# Altium PCB MazeSolverPcb.PcbDoc
Units mm, origin at the board's own origin, x right, y up, seen from the top; angles counter-clockwise.
Board outline 104.65 x 60.71 mm, 2 copper layers (Top Layer, Bottom Layer); 16 components, 20 nets, 99 pads, 35 vias.
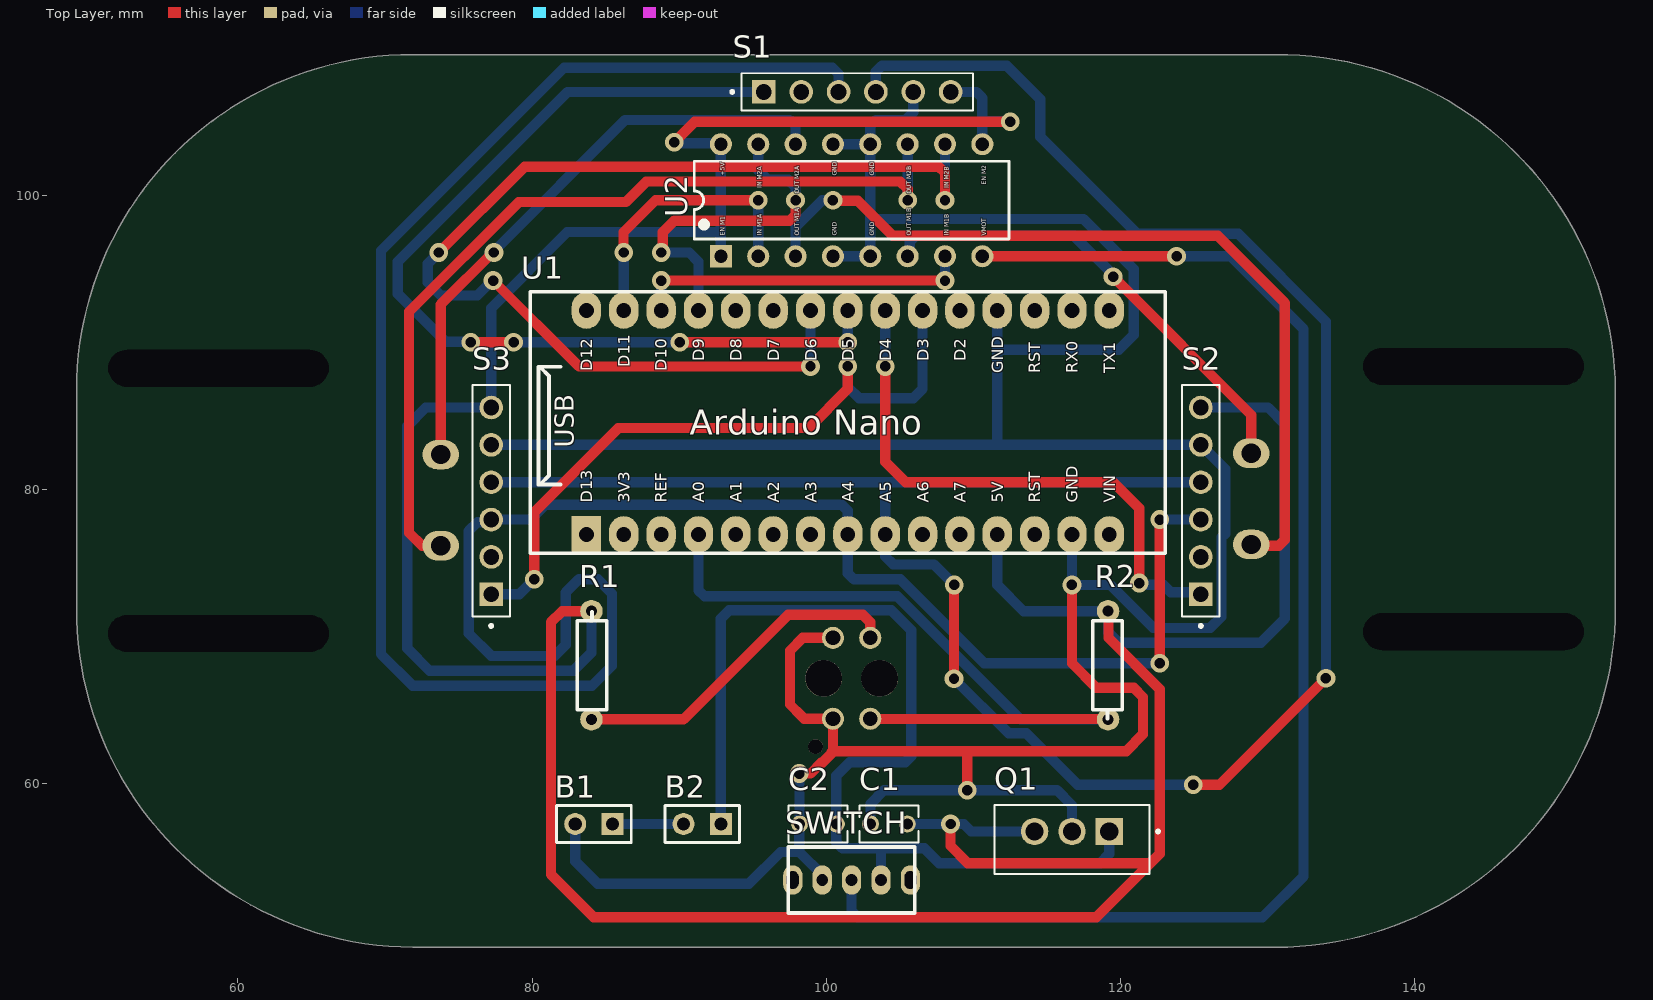
[diagram p0: Top Layer view]
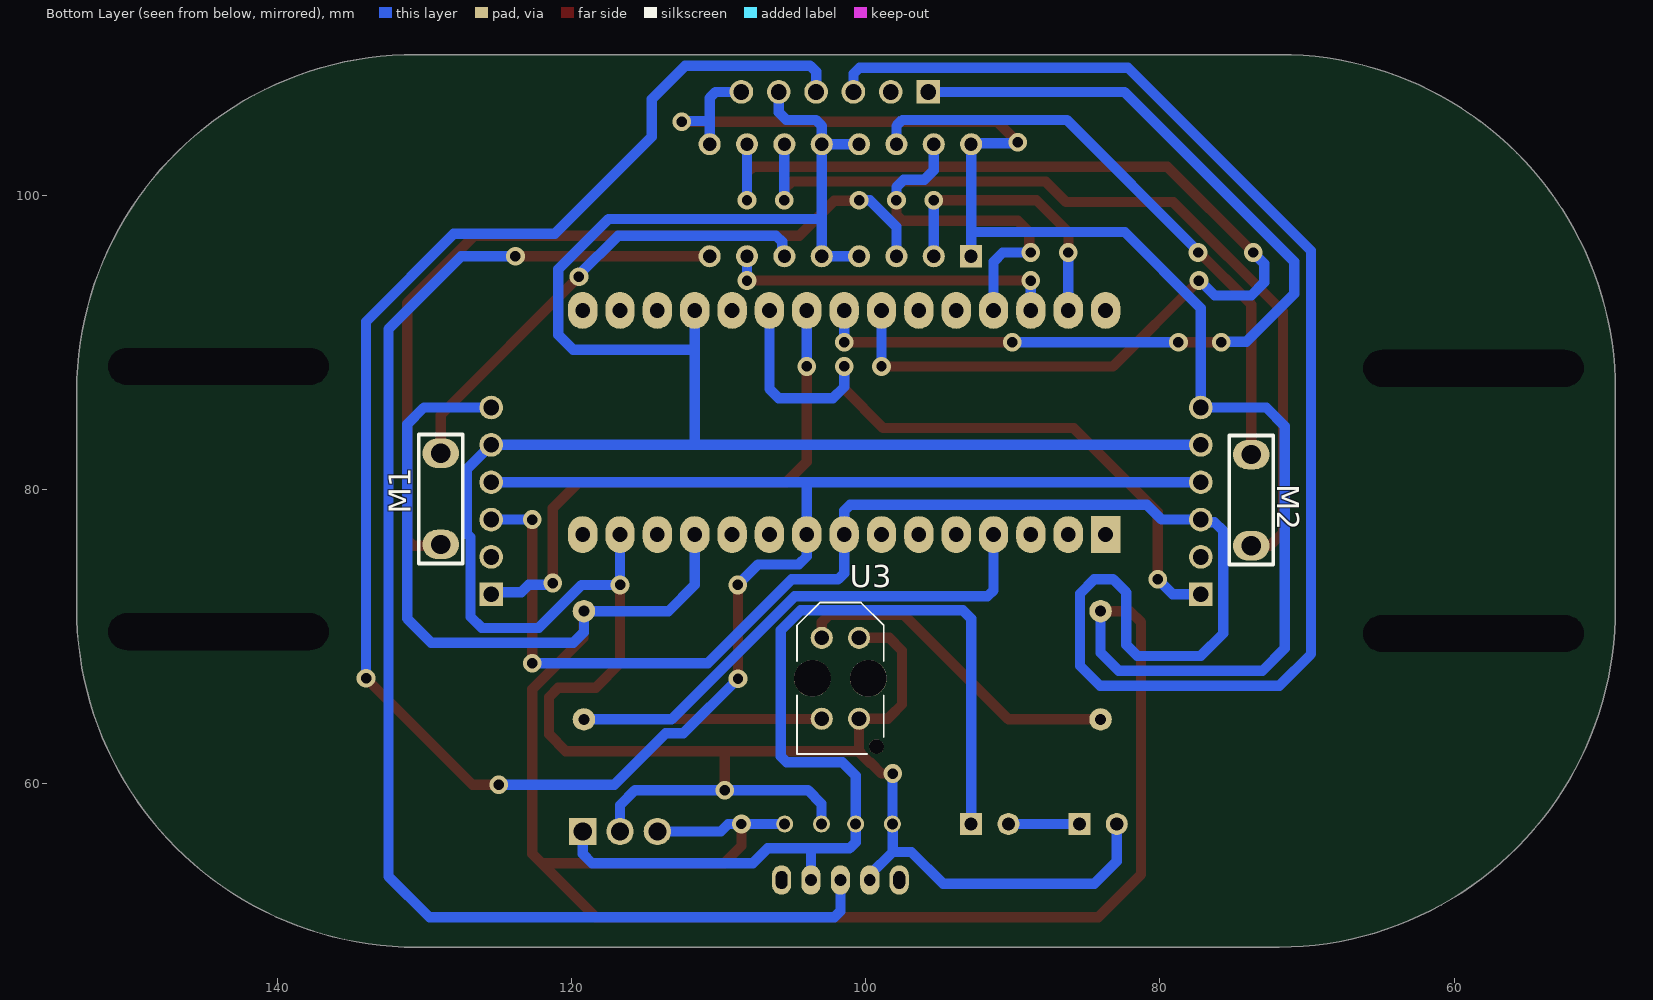
[diagram p1: Bottom Layer view, seen from below]

## Layer stack, top to bottom
Top Solder: solder mask 0.0102, Solder Resist, Dk 3.5
Top Layer: signal copper 0.0356
Dielectric 1: dielectric 0.32, FR-4, Dk 4.8
Bottom Layer: signal copper 0.0356
Bottom Solder: solder mask 0.0102, Solder Resist, Dk 3.5

## Board outline
49.022,72.009 49.022,86.741 cw(c71.882,86.741) 71.882,109.601 130.556,109.601 cw(c130.683,86.614) 153.67,86.741 153.67,72.009 cw(c130.556,72.009) 130.556,48.895 71.882,48.895 cw(c72.009,71.882)

## Design rules (kind name [scope] priority, off if disabled: settings)
Clearance RulesMaze [All] p1: gap=0.25 ignorepadtopadclearanceinfootprint=FALSE
Clearance [All] p2: gap=0.254 ignorepadtopadclearanceinfootprint=FALSE
PlaneConnect [All] p1: planeconnectstyle=Relief reliefexpansion=0.7 reliefentries=4 reliefconductorwidth=0.254 reliefairgap=0.254
PolygonConnect [All] p1: connectstyle=Relief reliefconductorwidth=0.254 reliefentries=4 polygonreliefangle="90 Angle" airgapwidth=0.254
RoutingVias [All] p1: holewidth=0.711 width=1.27 viastyle="Through Hole" minholewidth=0.711 minwidth=1.27 maxholewidth=0.711 maxwidth=1.27
SolderMaskExpansion [All] p1: expansion=0.102 istentingtop=FALSE
Width [All] p1: maxlimit=3 minlimit=0.7 preferedwidth=1
29 further rules are at their usual default settings.

## Components (designator, comment, footprint, x,y, rotation, side; value= is the part's Value field where it differs from the comment)
B1 "Header 2" HDR1X2 85.471,57.277 r180 top
B2 "Header 2" HDR1X2 92.837,57.277 r180 top
C1 "Cap 101" CAP_RCER71H224K1DBH03A 104.267,57.277 r180 top
C2 "Cap 101" CAP_RCER71H224K1DBH03A 99.441,57.277 r0 top
M1 "POLOLU" MOTOR 128.905,76.288 r90 bottom
M2 "POLOLU" MOTOR 73.787,82.4 r270 bottom
Q1 "LM7805CT/NOPB" TO254P1054X470X2600-3 116.713,56.769 r180 top
R1 "" Res1 84.074,68.072 r270 top value=220
R2 "" Res1 119.126,68.072 r90 top value=10K
S1 "FHeader 6X1" FHDR1X6 102.11,107.061 r0 top
S2 "FHeader 6X1" FHDR1X6 125.476,79.248 r90 top
S3 "FHeader 6X1" FHDR1X6 77.216,79.248 r90 top
SWITCH "SLIDE SWITCH" "Slide Switch" 106.027,55.717 r180 top
U1 "Arduino Nano" "Arduino nano" 79.88,75.696 r90 top
U2 "L293N" L293N 101.727,99.695 r90 top
U3 "TCRT5000" OPTO_TCRT5000 101.727,67.183 r90 bottom

## Footprints (in the part's own frame and the unit in brackets; to place one, negate y for a bottom-side part, rotate by r counter-clockwise, add the part's x,y. Pads: shape width x height; smd on the part's side, far side on the other; paste and mask are expansions set on the pad)
"Arduino nano" [mm]
  rect 2.5x2 hole 1: 1(1.266,-3.813)
  oval 2.5x2 hole 1: 2(1.266,-6.353) 3(1.266,-8.893) 4(1.266,-11.433) 5(1.266,-13.973) 6(1.266,-16.513) 7(1.266,-19.053) 8(1.266,-21.593) 9(1.266,-24.133) 10(1.266,-26.673) 11(1.266,-29.213) 12(1.266,-31.753) 13(1.266,-34.293) 14(1.266,-36.833) 15(1.266,-39.373) 16(16.506,-39.373) 17(16.506,-36.833) 18(16.506,-34.293) 19(16.506,-31.753) 20(16.506,-29.213) 21(16.506,-26.673) 22(16.506,-24.133) 23(16.506,-21.593) 24(16.506,-19.053) 25(16.506,-16.513) 26(16.506,-13.973) 27(16.506,-11.433) 28(16.506,-8.893) 29(16.506,-6.353) 30(16.506,-3.813)
  silkscreen extent 0,-43.18 17.78,0, body extent 0,-43.3 17.78,0.89, height 8.1
CAP_RCER71H224K1DBH03A [mm]
  round 1.15 hole 0.75: 1(-1.25,0) 2(1.25,0)
  silkscreen extent -2,-1.25 2,1.25, body extent -2,-1.25 2,1.25, height 23.5
FHDR1X6 [mm]
  rect 1.605x1.605 / inner round 1.605 / far side rect 1.605x1.605 hole 1.07: 1(-6.35,0)
  round 1.605 hole 1.07: 2(-3.81,0) 3(-1.27,0) 4(1.27,0) 5(3.81,0) 6(6.35,0)
  silkscreen extent -8.6,-1.27 7.87,1.27, body extent -7.87,-1.27 7.87,1.27, height 8.51
HDR1X2 [mm] "Connector; Header; 2 Position"
  rect 1.5x1.5 hole 0.9: 1(0,0)
  round 1.5 hole 0.9: 2(2.54,0)
  silkscreen extent -1.27,-1.27 3.81,1.27, body extent -1.28,-1.23 3.8,1.18, height 8.18
L293N [mm] "DIP, 16-Leads, Row Spacing 7.62mm, Pitch 2.54mm, Body 20.07x6.73mm"
  rect 1.5x1.5 hole 0.9: 1(-3.81,8.89)
  round 1.5 hole 0.9: 2(-3.81,6.35) 3(-3.81,3.81) 4(-3.81,1.27) 5(-3.81,-1.27) 6(-3.81,-3.81) 7(-3.81,-6.35) 8(-3.81,-8.89) 9(3.81,-8.89) 10(3.81,-6.35) 11(3.81,-3.81) 12(3.81,-1.27) 13(3.81,1.27) 14(3.81,3.81) 15(3.81,6.35) 16(3.81,8.89)
  silkscreen extent -2.65,-10.7 2.65,10.7, body extent -4.7,-9.51 4.74,9.51, height 4.2
MOTOR [mm]
  oval 2x2.5 hole 1.3: +(0,0) -(6.2,0)
  silkscreen extent -1.3,-1.5 7.47,1.5, body extent -5.94,-1 12.06,47.28, height 15
OPTO_TCRT5000 [mm]
  round 1.5 hole 1: A(2.75,1.27) CATH(2.75,-1.27) COLL(-2.75,1.27) E(-2.75,-1.27)
  round 1 hole 1 unplated: ""(-4.65,-2.45)
  round 2.5 hole 2.5 unplated: ""(0,-1.9) ""(0,1.9)
  silkscreen extent -5.15,-2.95 5.15,2.95, body extent -5.1,-3.4 5.1,3.4, height 7.2
Res1 [mil]
  round 60 hole 30: 1(-144.88,-1.57) 2(144.88,-1.57)
  silkscreen extent -143,-39 119,39, body extent -146,-38 147,35, height 73
"Slide Switch" [mm]
  oval 1.3x2 hole 0.8: 0(2.3,2.25) 1(4.3,2.25) 2(6.3,2.25)
  oval 1.3x2 hole 0.8 slot 1.2 at 90 deg: SH(0.3,2.25) SH(8.3,2.25)
  silkscreen extent 0,0 8.6,4.5, body extent 0.02,0.33 8.61,4.1, height 6.34
TO254P1054X470X2600-3 [mm]
  rect 1.86x1.86 / inner round 1.86 / far side rect 1.86x1.86 hole 1.24: 1(-2.54,0)
  round 1.86 hole 1.24: 2(0,0) 3(2.54,0)
  silkscreen extent -5.95,-1.8 5.27,2.9, body extent -5.08,-1.67 5.08,2.68, height 20.4

## Part data
B1 B2: "Header, 2-Pin", LatestRevisionDate=17-Jul-2002, LatestRevisionNote="Re-released for DXP Platform.", Publisher="Altium Limited"
C1 C2: library part RCER71H224K1DBH03A, "CAP CER 4700PF 50V C0G/NP0 RAD", Package=None, Availability=Unavailable, MP=RCER71H224K1DBH03A, Price=None
Q1: "Linear Voltage Regulator IC Positive Fixed 1 Output 1.5A TO-220-3", Package="TO-220-3 ON Semiconductor", Availability="In Stock", Check_prices=https://www.snapeda.com/parts/LM7805CT/Onsemi/view-part/?ref=eda, MF="ON Semiconductor", MP=LM7805CT, Price=None, Purchase-URL=https://pricing.snapeda.com/search/part/LM7805CT/?ref=eda, SnapEDA_Link=https://www.snapeda.com/parts/LM7805CT/Onsemi/view-part/?ref=snap
R1 R2: library part Res1, "Resistor", LatestRevisionDate=17-Jul-2002, LatestRevisionNote="Re-released for DXP Platform.", PackageDescription="Axial Device, Thru-Hole; 2 Leads; 0.3 in Pin Spacing", PackageReference=AXIAL-0.3, Published=8-Jun-2000, Publisher="Altium Limited"
U1: library part "ARDUINO NANO"
U3: "950 nm 60 mA Through Hole Reflective Optical Sensor with Transistor Output", Package=None, Availability=Unavailable, MP=TCRT5000, Price=None
M1 M2 S1 S2 S3 U2: LatestRevisionDate=17-Jul-2002, LatestRevisionNote="Re-released for DXP Platform.", Publisher="Altium Limited"

## Free pads (board coordinates)
  round 0 hole 2.5 slot 15 at 0 deg: 4(58.674,70.231) 4(58.674,88.265) 4(144.018,70.358) 4(144.018,88.392)

## Via types
v1: diameter 1.27, hole 0.711, Top Layer to Bottom Layer, 35 vias

## Nets (pads, with @x,y where several pads share a name; then routed paths per layer and width w, separated by ;. In a path a pad name is that pad's centre, name@x,y a point inside that pad or via, vN(x,y) a via of type N, cw(c..) or ccw(c..) an arc to the next point about the centre after c; other vN are vias at no path point)
3.4V: B1.1 B2.2 | length 4.8
  Bottom Layer w0.7: B1.1 B2.2
7.4V: B2.1 C2.2 Q1.1 SWITCH.0 | length 69.6
  Bottom Layer w0.7: B2.1 92.837,71.247 93.411,71.821 104.435,71.821 105.791,70.465 105.791,61.878 105.381,61.468 101.6,61.468 100.691,60.559 C2.2 100.691,56.036 101.101,55.626 103.727,55.626 ; SWITCH.0 103.727,55.626 ; Q1.1 119.253,55.245 118.618,54.61 107.696,54.61 107.316,54.99 106.68,55.626 103.727,55.626
+5: C1.1 Q1.3 R1.1 R2.2 S1.6 S2.6 S3.6 U1.12 U2.1 U2.9 U2.16 | length 256.6
  Top Layer w0.7: R1.1 82.039,71.752 81.28,70.993 81.28,53.848 84.201,50.927 118.364,50.927 122.047,54.61 ; v1(89.662,103.632) 91.059,105.029 v1(112.522,105.029) ; v1(108.458,57.277) 108.458,55.782 109.63,54.61 122.047,54.61 ; R2.2 119.194,71.724 119.194,69.94 122.682,66.452 122.682,55.245 122.047,54.61
  Bottom Layer w0.7: R1.1 84.034,68.921 82.804,67.691 73.025,67.691 71.501,69.215 71.501,84.328 72.771,85.598 S3.6 77.216,92.36 82.392,97.536 92.837,97.536 ; v1(89.662,103.632) 89.725,103.569 92.773,103.569 U2.16 92.837,97.536 ; U2.1 92.837,97.536 ; C1.1 109.347,57.277 109.855,56.769 Q1.3 ; S1.6 110.207,107.061 110.617,106.651 110.617,105.078 ; U2.9 110.617,105.078 ; U1.12 111.633,73.533 113.414,71.752 R2.2 119.166,70.318 119.888,69.596 129.54,69.596 131.191,71.247 131.191,84.455 130.048,85.598 S2.6 ; v1(112.522,105.029) 112.473,105.078 110.617,105.078
A4: S1.3 S2.3 S3.3 U1.8 | length 176.4
  Top Layer w0.7: v1(122.682,68.199) v1(122.682,77.978)
  Bottom Layer w0.7: S1.3 100.838,107.063 100.838,108.302 100.428,108.712 82.169,108.712 69.723,96.266 69.723,68.834 71.882,66.675 84.074,66.675 85.435,68.036 85.435,72.934 84.455,73.914 83.185,73.914 82.296,73.025 82.296,69.469 81.534,68.707 77.216,68.707 75.692,70.231 75.692,77.208 76.289,77.805 77.043,77.805 S3.3 79.883,77.978 80.899,78.994 101.063,78.994 101.473,78.584 U1.8 101.473,74.324 101.883,73.914 105.029,73.914 110.744,68.199 v1(122.682,68.199) ; v1(122.682,77.978) S2.3
A5: S1.4 S2.4 S3.4 U1.9 | length 161.8
  Top Layer w0.7: v1(108.691,67.162) 108.691,73.512 v1(108.712,73.533) ; v1(124.968,59.944) 126.746,59.944 v1(133.985,67.183)
  Bottom Layer w0.7: S3.4 104.013,80.518 ; S1.4 103.378,107.063 103.378,108.429 103.788,108.839 112.268,108.839 114.554,106.553 114.554,104.013 121.158,97.409 128.016,97.409 133.985,91.44 v1(133.985,67.183) ; U1.9@104.14,76.835 U1.9 ; v1(108.691,67.162) 112.411,63.442 113.596,63.442 117.094,59.944 v1(124.968,59.944) ; v1(108.712,73.533) 107.315,74.93 104.55,74.93 104.013,75.467 U1.9 ; S2.4 104.013,80.518 ; U1.9 104.013,80.518
D3: S3.1 U1.21 | length 46.6
  Top Layer w0.7: v1(80.137,73.914) 80.137,78.486 85.852,84.201 98.806,84.201 101.473,86.868 v1(101.473,88.392)
  Bottom Layer w0.7: S3.1 79.121,72.898 v1(80.137,73.914) ; v1(101.473,88.392) 101.473,86.995 102.235,86.233 105.918,86.233 106.553,86.868 U1.21
D4: S2.1 U1.22 | length 38.5
  Top Layer w0.7: v1(104.013,88.392) 104.013,81.915 105.41,80.518 119.507,80.518 121.285,78.74 v1(121.285,73.66)
  Bottom Layer w0.7: v1(104.013,88.392) U1.22 ; v1(121.285,73.66) 121.394,73.551 122.918,73.551 123.424,73.045 125.329,73.045 S2.1
D5: S1.1 U1.23 | length 66
  Top Layer w0.7: v1(75.819,90.043) v1(78.74,90.043) ; v1(90.043,90.043) v1(101.473,90.043)
  Bottom Layer w0.7: v1(75.819,90.043) 75.785,90.077 74.134,90.077 70.866,93.345 70.866,95.504 82.423,107.061 S1.1 ; v1(78.74,90.043) v1(90.043,90.043) ; v1(101.473,90.043) U1.23
GND: B1.2 C1.2 C2.1 Q1.2 S1.5 S2.5 S3.5 SWITCH.2 U1.14 U1.19 U2.4 U2.5 U2.12 U2.13 U3.CATH U3.E | length 235.2
  Top Layer w0.7: v1(98.171,60.706) 98.933,60.706 99.66,61.433 99.733,61.433 100.377,62.077 100.377,62.15 100.457,62.23 ; U3.CATH 98.41,69.933 97.536,69.059 97.536,65.405 98.299,64.642 98.508,64.433 U3.E 100.457,62.23 ; v1(109.601,59.563) 109.601,62.23 ; v1(116.713,73.533) 116.713,68.199 118.364,66.548 120.904,66.548 121.539,65.913 121.539,63.373 120.396,62.23 109.601,62.23 ; 100.457,62.23 109.601,62.23
  Bottom Layer w0.7: S3.5 111.633,83.058 ; B1.2 82.931,54.737 84.455,53.213 94.742,53.213 96.902,55.373 98.171,55.373 ; v1(98.171,60.706) 98.181,60.696 98.181,57.287 C2.1 98.171,57.257 98.171,55.373 ; SWITCH.2 99.727,53.817 98.171,55.373 ; U2.4 U2.5 102.997,98.425 ; U2.13 U2.12 ; C1.2 103.017,58.654 103.926,59.563 v1(109.601,59.563) 115.697,59.563 116.713,58.547 Q1.2 ; S1.5@105.918,107.063 S1.5 105.918,107.059 105.918,105.664 105.41,105.156 103.407,105.156 102.997,104.746 U2.12 ; U1.19 111.633,89.535 ; U1.14 v1(116.713,73.533) 119.311,73.533 120.528,72.316 120.528,72.315 122.231,70.612 126.111,70.612 126.879,71.38 126.879,76.774 127.127,77.023 127.127,81.407 S2.5 111.633,83.058 ; 102.997,98.425 U2.12 ; 102.997,98.425 117.475,98.425 120.904,94.996 120.904,90.551 119.888,89.535 111.633,89.535 ; 111.633,83.058 111.633,89.535
IPWMM1A: U1.29 U2.2 | length 19.2
  Top Layer w0.7: v1(86.233,96.139) 86.216,96.156 86.216,97.519 88.392,99.695 v1(95.377,99.695)
  Bottom Layer w0.7: U1.29 v1(86.233,96.139) ; U2.2 v1(95.377,99.695)
IPWMM1B: U1.28 U2.7 | length 23
  Top Layer w0.7: v1(88.773,94.234) v1(108.077,94.234)
  Bottom Layer w0.7: U1.28 v1(88.773,94.234) ; v1(108.077,94.234) U2.7
IPWMM2A: U1.27 U2.15 | length 23.7
  Top Layer w0.7: v1(88.773,96.139) 88.882,96.248 88.882,97.518 89.662,98.298 97.507,98.298 97.917,98.708 v1(97.917,99.695)
  Bottom Layer w0.7: v1(88.773,96.139) 90.678,96.139 91.313,95.504 U1.27 U1.27@91.305,92.21 ; U2.15 95.377,101.727 96.012,101.092 97.409,101.092 97.917,100.584 v1(97.917,99.695)
IPWMM2B: U1.24 U2.10 | length 78.1
  Top Layer w0.7: v1(73.66,96.139) 79.502,101.981 107.667,101.981 108.077,101.571 v1(108.077,99.695) ; v1(77.343,94.234) 83.185,88.392 v1(98.933,88.392)
  Bottom Layer w0.7: v1(73.66,96.139) 72.898,95.377 72.898,94.107 73.787,93.218 76.267,93.218 77.283,94.234 v1(77.343,94.234) ; v1(98.933,88.392) U1.24 ; v1(108.077,99.695) U2.10
IRSignal: R2.1 U1.4 U3.COLL | length 51.5
  Top Layer w0.7: U3.COLL 103.018,64.413 105.791,64.413 119.145,64.413 R2.1
  Bottom Layer w0.7: U1.4 91.313,73.181 91.723,72.771 104.828,72.771 113.207,64.392 R2.1 ; U3.COLL U3.COLL@103.018,64.413
NetR1_2: R1.2 U3.A | length 23.2
  Top Layer w0.7: R1.2 90.3,64.392 97.409,71.501 102.489,71.501 102.997,70.993 U3.A
  Bottom Layer w0.7: R1.2 R1.2@84.037,64.389
PWMM1A: M1.+ U2.3 | length 57.5
  Top Layer w0.7: v1(100.457,99.695) 100.491,99.661 102.142,99.661 102.361,99.442 104.521,97.282 126.619,97.282 131.191,92.71 131.191,76.61 130.781,76.2 128.993,76.2 M1.+
  Bottom Layer w0.7: U2.3 97.917,97.888 99.724,99.695 v1(100.457,99.695)
PWMM1B: M1.- U2.6 | length 32.2
  Top Layer w0.7: v1(119.507,94.488) 128.905,85.09 M1.-
  Bottom Layer w0.7: U2.6 105.69,96.038 105.69,96.866 106.106,97.282 116.84,97.282 119.507,94.615 v1(119.507,94.488)
PWMM2A: M2.+ U2.14 | length 40.9
  Top Layer w0.7: M2.+ 73.787,92.609 v1@77.407,96.229
  Bottom Layer w0.7: v1@77.407,96.229 86.334,105.156 97.507,105.156 97.917,104.746 U2.14
  other v1: 77.407,96.139
PWMM2B: M2.- U2.11 | length 60.1
  Top Layer w0.7: M2.- 72.517,76.2 71.628,77.089 71.628,92.107 79.089,99.568 86.36,99.568 87.757,100.965 105.029,100.965 105.537,100.457 v1(105.537,99.695) v1@105.428,99.804
  Bottom Layer w0.7: v1(105.537,99.695) U2.11
VSwitch: SWITCH.1 U2.8 | length 95.3
  Top Layer w0.7: U2.8 v1(123.825,95.885)
  Bottom Layer w0.7: SWITCH.1 101.727,51.337 102.137,50.927 129.667,50.927 132.461,53.721 132.461,90.932 127.508,95.885 v1(123.825,95.885)
pads on no net: S1.2 S2.2 S3.2 SWITCH.SH U1.1 U1.2 U1.3 U1.5 U1.6 U1.7 U1.10 U1.11 U1.13 U1.15 U1.16 U1.17 U1.18 U1.20 U1.25 U1.26 U1.30 U3.

## Text inside footprints (layer, text, board x,y; h text height)
U1: Top Overlay "RX0" at 117.118,87.937 h0.8 r90; Top Overlay "D12" at 84.093,88.07 h0.8 r90; Top Overlay "USB" at 82.818,82.862 h1.3 r90; Top Overlay "5V" at 112.043,79.112 h0.8 r90; Top Overlay "A7" at 109.493,79.112 h0.8 r90; Top Overlay "A6" at 106.968,79.112 h0.8 r90; Top Overlay "A5" at 104.418,79.112 h0.8 r90; Top Overlay "A4" at 101.868,79.112 h0.8 r90; Top Overlay "A3" at 99.343,79.112 h0.8 r90; Top Overlay "A2" at 96.793,79.112 h0.8 r90; Top Overlay "A1" at 94.268,79.112 h0.8 r90; Top Overlay "A0" at 91.718,79.112 h0.8 r90; Top Overlay "3V3" at 86.643,79.112 h0.8 r90; Top Overlay "TX1" at 119.668,87.937 h0.8 r90; Top Overlay "RST" at 114.568,87.937 h0.8 r90; Top Overlay "GND" at 112.043,87.937 h0.8 r90; Top Overlay "D2" at 109.493,88.737 h0.8 r90; Top Overlay "D3" at 106.968,88.737 h0.8 r90; Top Overlay "D4" at 104.418,88.737 h0.8 r90; Top Overlay "D5" at 101.868,88.737 h0.8 r90; Top Overlay "D6" at 99.343,88.737 h0.8 r90; Top Overlay "D7" at 96.793,88.737 h0.8 r90; Top Overlay "D8" at 94.268,88.737 h0.8 r90; Top Overlay "D9" at 91.718,88.737 h0.8 r90; Top Overlay "D10" at 89.168,88.07 h0.8 r90; Top Overlay "REF" at 89.168,79.112 h0.8 r90; Top Overlay "D13" at 84.093,79.112 h0.8 r90; Top Overlay "GND" at 117.118,79.112 h0.8 r90; Top Overlay "VIN" at 119.668,79.112 h0.8 r90; Top Overlay "RST" at 114.568,79.112 h0.8 r90; Top Overlay "D11" at 86.643,88.337 h0.8 r90
U2: Top Overlay "OUT M2B" at 105.791,100.146 h0.3 r90; Top Overlay "IN M2B" at 108.331,100.496 h0.3 r90; Top Overlay "OUT M1B" at 105.791,97.282 h0.3 r90; Top Overlay "GND" at 103.251,101.346 h0.3 r90; Top Overlay "GND" at 103.251,97.282 h0.3 r90; Top Overlay "IN M2A" at 95.631,100.496 h0.3 r90; Top Overlay "+5V" at 93.091,101.346 h0.3 r90; Top Overlay "EN M2" at 110.871,100.746 h0.3 r90; Top Overlay "GND" at 100.711,101.346 h0.3 r90; Top Overlay "OUT M2A" at 98.171,100.146 h0.3 r90; Top Overlay "VMOT" at 110.871,97.282 h0.3 r90; Top Overlay "IN M1B" at 108.331,97.282 h0.3 r90; Top Overlay "GND" at 100.711,97.282 h0.3 r90; Top Overlay "OUT M1A" at 98.171,97.282 h0.3 r90; Top Overlay "IN M1A" at 95.631,97.282 h0.3 r90; Top Overlay "EN M1" at 93.091,97.282 h0.3 r90